# Altium PCB PCB2.PcbDoc (part 6 of 16)
Units mil, origin at the board's own origin, x right, y up, seen from the top; angles counter-clockwise.
Board outline 9200.79 x 4350.6 mil, 4 copper layers (Top Layer, Layer 1, Layer 2, Bottom Layer), stack 23.756 mil thick; 1249 components, 1355 nets, 4549 pads, 1316 vias.
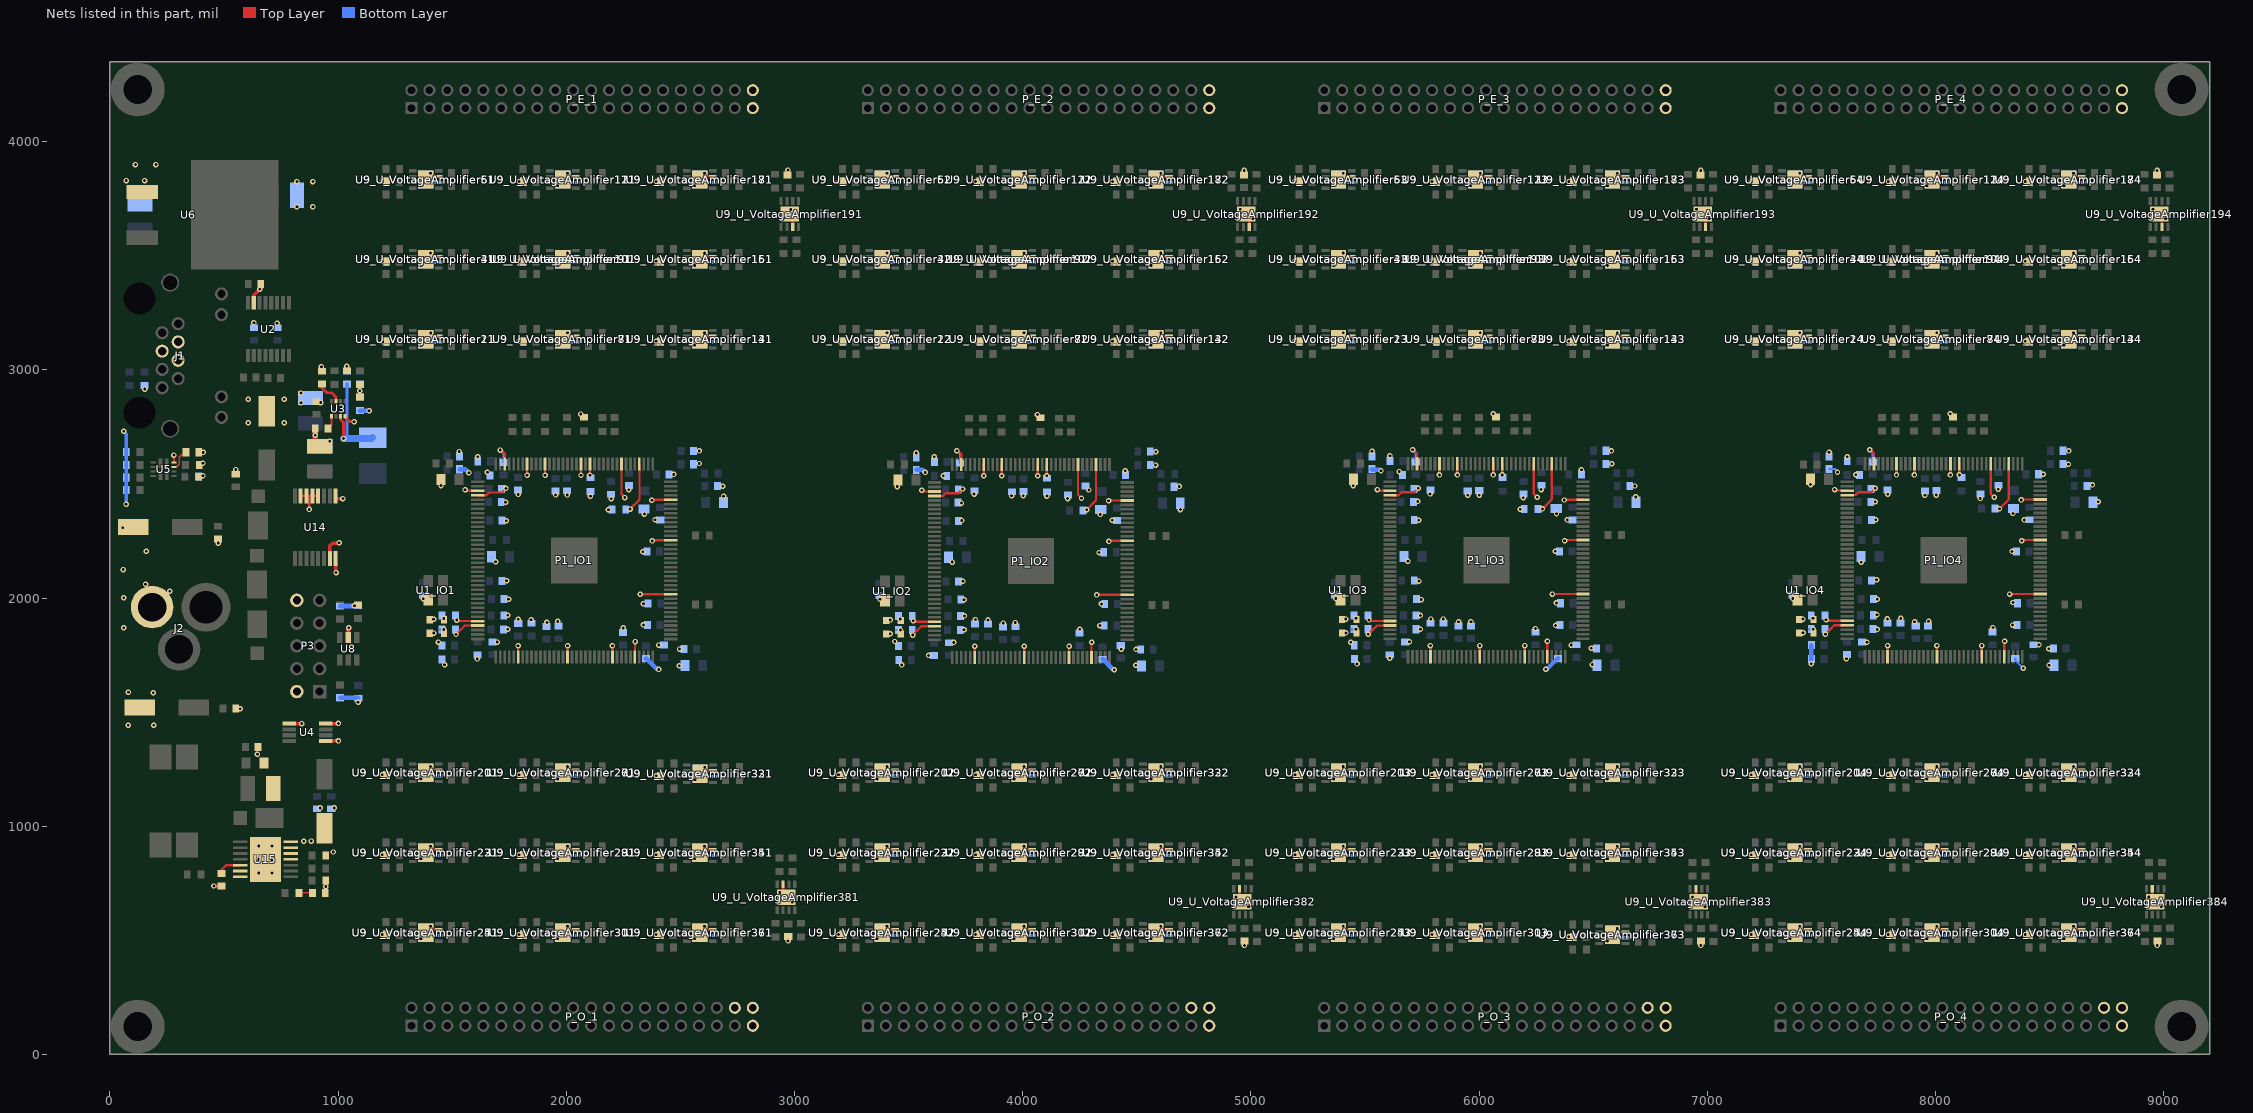
[diagram p8: the nets of this part, all layers, seen from the top]

## Via types
v1: diameter 24, hole 12, Top Layer to Bottom Layer, 1316 vias

## Nets (pads, with @x,y where several pads share a name; then routed paths per layer and width w, separated by ;. In a path a pad name is that pad's centre, name@x,y a point inside that pad or via, vN(x,y) a via of type N, cw(c..) or ccw(c..) an arc to the next point about the centre after c; other vN are vias at no path point) (continued)
GND: C1_IO1.1 C1_IO2.1 C1_IO3.1 C1_IO4.1 C2_POWER1.2 C2_POWER2.2 C2_POWER3.2 C2_POWER4.2 C3_POWER1.2 C3_POWER2.2 C3_POWER3.2 C3_POWER4.2 C4_POWER1.2 C4_POWER2.2 C4_POWER3.2 C4_POWER4.2 C5_POWER1.2 C5_POWER2.2 C5_POWER3.2 C5_POWER4.2 C6_POWER1.2 C6_POWER2.2 C6_POWER3.2 C6_POWER4.2 C7_POWER1.2 C7_POWER2.2 C7_POWER3.2 C7_POWER4.2 C8.1 C9_POWER1.2 C9_POWER2.2 C9_POWER3.2 C9_POWER4.2 C10_POWER1.1 C10_POWER2.1 C10_POWER3.1 C10_POWER4.1 C11_POWER1.1 C11_POWER2.1 C11_POWER3.1 C11_POWER4.1 C12_POWER1.2 C12_POWER2.2 C12_POWER3.2 C12_POWER4.2 C13_POWER1.2 C13_POWER2.2 C13_POWER3.2 C13_POWER4.2 C14.1 C15_POWER1.2 C15_POWER2.2 C15_POWER3.2 C15_POWER4.2 C16_POWER1.2 C16_POWER2.2 C16_POWER3.2 C16_POWER4.2 C17_POWER1.2 C17_POWER2.2 C17_POWER3.2 C17_POWER4.2 C19.1 C20.1 C21.1 C22.1 C23_POWER1.2 C23_POWER2.2 C23_POWER3.2 C23_POWER4.2 C24_POWER1.2 C24_POWER2.2 C24_POWER3.2 C24_POWER4.2 C26.1 C27.1 C28.1 C29.1 C30.1 C31.1 C32.1 C33.2 C34_U_VoltageAmplifier11.2 C34_U_VoltageAmplifier12.2 C34_U_VoltageAmplifier13.2 C34_U_VoltageAmplifier14.2 C34_U_VoltageAmplifier21.2 C34_U_VoltageAmplifier22.2 C34_U_VoltageAmplifier23.2 C34_U_VoltageAmplifier24.2 C34_U_VoltageAmplifier31.2 C34_U_VoltageAmplifier32.2 C34_U_VoltageAmplifier33.2 C34_U_VoltageAmplifier34.2 C34_U_VoltageAmplifier41.2 C34_U_VoltageAmplifier42.2 C34_U_VoltageAmplifier43.2 C34_U_VoltageAmplifier44.2 C34_U_VoltageAmplifier51.2 C34_U_VoltageAmplifier52.2 C34_U_VoltageAmplifier53.2 C34_U_VoltageAmplifier54.2 C34_U_VoltageAmplifier61.2 C34_U_VoltageAmplifier62.2 C34_U_VoltageAmplifier63.2 C34_U_VoltageAmplifier64.2 C34_U_VoltageAmplifier71.2 C34_U_VoltageAmplifier72.2 C34_U_VoltageAmplifier73.2 C34_U_VoltageAmplifier74.2 C34_U_VoltageAmplifier81.2 C34_U_VoltageAmplifier82.2 C34_U_VoltageAmplifier83.2 C34_U_VoltageAmplifier84.2 C34_U_VoltageAmplifier91.2 C34_U_VoltageAmplifier92.2 C34_U_VoltageAmplifier93.2 C34_U_VoltageAmplifier94.2 C34_U_VoltageAmplifier101.2 C34_U_VoltageAmplifier102.2 C34_U_VoltageAmplifier103.2 C34_U_VoltageAmplifier104.2 C34_U_VoltageAmplifier111.2 C34_U_VoltageAmplifier112.2 C34_U_VoltageAmplifier113.2 C34_U_VoltageAmplifier114.2 C34_U_VoltageAmplifier121.2 C34_U_VoltageAmplifier122.2 C34_U_VoltageAmplifier123.2 C34_U_VoltageAmplifier124.2 C34_U_VoltageAmplifier131.2 C34_U_VoltageAmplifier132.2 C34_U_VoltageAmplifier133.2 C34_U_VoltageAmplifier134.2 C34_U_VoltageAmplifier141.2 C34_U_VoltageAmplifier142.2 C34_U_VoltageAmplifier143.2 C34_U_VoltageAmplifier144.2 C34_U_VoltageAmplifier151.2 C34_U_VoltageAmplifier152.2 C34_U_VoltageAmplifier153.2 C34_U_VoltageAmplifier154.2 C34_U_VoltageAmplifier161.2 C34_U_VoltageAmplifier162.2 C34_U_VoltageAmplifier163.2 C34_U_VoltageAmplifier164.2 C34_U_VoltageAmplifier171.2 C34_U_VoltageAmplifier172.2 C34_U_VoltageAmplifier173.2 C34_U_VoltageAmplifier174.2 C34_U_VoltageAmplifier181.2 C34_U_VoltageAmplifier182.2 C34_U_VoltageAmplifier183.2 C34_U_VoltageAmplifier184.2 C34_U_VoltageAmplifier191.2 C34_U_VoltageAmplifier192.2 C34_U_VoltageAmplifier193.2 C34_U_VoltageAmplifier194.2 C34_U_VoltageAmplifier201.2 C34_U_VoltageAmplifier202.2 C34_U_VoltageAmplifier203.2 C34_U_VoltageAmplifier204.2 C34_U_VoltageAmplifier211.2 C34_U_VoltageAmplifier212.2 C34_U_VoltageAmplifier213.2 C34_U_VoltageAmplifier214.2 C34_U_VoltageAmplifier221.2 C34_U_VoltageAmplifier222.2 C34_U_VoltageAmplifier223.2 C34_U_VoltageAmplifier224.2 C34_U_VoltageAmplifier231.2 C34_U_VoltageAmplifier232.2 C34_U_VoltageAmplifier233.2 C34_U_VoltageAmplifier234.2 C34_U_VoltageAmplifier241.2 C34_U_VoltageAmplifier242.2 C34_U_VoltageAmplifier243.2 C34_U_VoltageAmplifier244.2 C34_U_VoltageAmplifier251.2 C34_U_VoltageAmplifier252.2 C34_U_VoltageAmplifier253.2 C34_U_VoltageAmplifier254.2 C34_U_VoltageAmplifier261.2 C34_U_VoltageAmplifier262.2 C34_U_VoltageAmplifier263.2 C34_U_VoltageAmplifier264.2 C34_U_VoltageAmplifier271.2 C34_U_VoltageAmplifier272.2 C34_U_VoltageAmplifier273.2 C34_U_VoltageAmplifier274.2 C34_U_VoltageAmplifier281.2 C34_U_VoltageAmplifier282.2 C34_U_VoltageAmplifier283.2 C34_U_VoltageAmplifier284.2 C34_U_VoltageAmplifier291.2 C34_U_VoltageAmplifier292.2 C34_U_VoltageAmplifier293.2 C34_U_VoltageAmplifier294.2 C34_U_VoltageAmplifier301.2 C34_U_VoltageAmplifier302.2 C34_U_VoltageAmplifier303.2 C34_U_VoltageAmplifier304.2 C34_U_VoltageAmplifier311.2 C34_U_VoltageAmplifier312.2 C34_U_VoltageAmplifier313.2 C34_U_VoltageAmplifier314.2 C34_U_VoltageAmplifier321.2 C34_U_VoltageAmplifier322.2 C34_U_VoltageAmplifier323.2 C34_U_VoltageAmplifier324.2 C34_U_VoltageAmplifier331.2 C34_U_VoltageAmplifier332.2 C34_U_VoltageAmplifier333.2 C34_U_VoltageAmplifier334.2 C34_U_VoltageAmplifier341.2 C34_U_VoltageAmplifier342.2 C34_U_VoltageAmplifier343.2 C34_U_VoltageAmplifier344.2 C34_U_VoltageAmplifier351.2 C34_U_VoltageAmplifier352.2 C34_U_VoltageAmplifier353.2 C34_U_VoltageAmplifier354.2 C34_U_VoltageAmplifier361.2 C34_U_VoltageAmplifier362.2 C34_U_VoltageAmplifier363.2 C34_U_VoltageAmplifier364.2 C34_U_VoltageAmplifier371.2 C34_U_VoltageAmplifier372.2 C34_U_VoltageAmplifier373.2 C34_U_VoltageAmplifier374.2 C34_U_VoltageAmplifier381.2 C34_U_VoltageAmplifier382.2 C34_U_VoltageAmplifier383.2 C34_U_VoltageAmplifier384.2 C35.1 C36.1 C37.1 C38.1 C39.1 C41.1 C42.1 C44.1 C45_POWER1.2 C45_POWER2.2 C45_POWER3.2 C45_POWER4.2 C46_POWER1.1 C46_POWER2.1 C46_POWER3.1 C46_POWER4.1 C47_POWER1.2 C47_POWER2.2 C47_POWER3.2 C47_POWER4.2 C48_POWER1.2 C48_POWER2.2 C48_POWER3.2 C48_POWER4.2 C49_POWER1.2 C49_POWER2.2 C49_POWER3.2 C49_POWER4.2 C51_POWER1.2 C51_POWER2.2 C51_POWER3.2 C51_POWER4.2 C52_POWER1.2 C52_POWER2.2 C52_POWER3.2 C52_POWER4.2 C53_POWER1.2 C53_POWER2.2 C53_POWER3.2 C53_POWER4.2 C54_POWER1.2 C54_POWER2.2 C54_POWER3.2 C54_POWER4.2 C55_POWER1.1 C55_POWER2.1 C55_POWER3.1 C55_POWER4.1 C56_POWER1.1 C56_POWER2.1 C56_POWER3.1 C56_POWER4.1 C57_POWER1.2 C57_POWER2.2 C57_POWER3.2 C57_POWER4.2 C58_POWER1.2 C58_POWER2.2 C58_POWER3.2 C58_POWER4.2 C59_POWER1.2 C59_POWER2.2 C59_POWER3.2 C59_POWER4.2 C60_POWER1.2 C60_POWER2.2 C60_POWER3.2 C60_POWER4.2 C61_POWER1.2 C61_POWER2.2 C61_POWER3.2 C61_POWER4.2 C62_POWER1.2 C62_POWER2.2 C62_POWER3.2 C62_POWER4.2 C63.1 C64_POWER1.2 C64_POWER2.2 C64_POWER3.2 C64_POWER4.2 C65_POWER1.2 C65_POWER2.2 C65_POWER3.2 C65_POWER4.2 C66_POWER1.2 C66_POWER2.2 C66_POWER3.2 C66_POWER4.2 C67_POWER1.2 C67_POWER2.2 C67_POWER3.2 C67_POWER4.2 C68_POWER1.2 C68_POWER2.2 C68_POWER3.2 C68_POWER4.2 C69_POWER1.1 C69_POWER2.1 C69_POWER3.1 C69_POWER4.1 C70_POWER1.1 C70_POWER2.1 C70_POWER3.1 C70_POWER4.1 C71_POWER1.1 C71_POWER2.1 C71_POWER3.1 C71_POWER4.1 C72_POWER1.1 C72_POWER2.1 C72_POWER3.1 C72_POWER4.1 C73.2 C74.1 C75.1 C76.2 C77.1 C78.1 C79.2 D1_IO1.2 D1_IO2.2 D1_IO3.2 D1_IO4.2 D2_IO1.2 D2_IO2.2 D2_IO3.2 D2_IO4.2 J1.4 J1.5 J1.6 J2.2 P1_IO1.3 P1_IO1.4 P1_IO1.42 P1_IO1.53 P1_IO1.63 P1_IO1.68 P1_IO1.83 P1_IO1.95 P1_IO1.104 P1_IO1.116 P1_IO1.125 P1_IO1.133 P1_IO1.137 P1_IO1.142 P1_IO2.3 P1_IO2.4 P1_IO2.42 P1_IO2.53 P1_IO2.63 P1_IO2.68 P1_IO2.83 P1_IO2.95 P1_IO2.104 P1_IO2.116 P1_IO2.125 P1_IO2.133 P1_IO2.137 P1_IO2.142 P1_IO3.3 P1_IO3.4 P1_IO3.42 P1_IO3.53 P1_IO3.63 P1_IO3.68 P1_IO3.83 P1_IO3.95 P1_IO3.104 P1_IO3.116 P1_IO3.125 P1_IO3.133 P1_IO3.137 P1_IO3.142 P1_IO4.3 P1_IO4.4 P1_IO4.42 P1_IO4.53 P1_IO4.63 P1_IO4.68 P1_IO4.83 P1_IO4.95 P1_IO4.104 P1_IO4.116 P1_IO4.125 P1_IO4.133 P1_IO4.137 P1_IO4.142 P3.2 P3.10 P_E_1.39 P_E_1.40 P_E_2.39 P_E_2.40 P_E_3.39 P_E_3.40 P_E_4.39 P_E_4.40 P_O_1.38 P_O_1.39 P_O_1.40 P_O_2.38 P_O_2.39 P_O_2.40 P_O_3.38 P_O_3.39 P_O_3.40 P_O_4.38 P_O_4.39 P_O_4.40 R9.2 R12.1 R13_IO1.1 R13_IO2.1 R13_IO3.1 R13_IO4.1 R19.2 R23.2 R24.2 R25.2 R32.2 R38.1 R39.2 R40.2 R43.1 R44.2 R48.1 R49.1 U1_IO1.2 U1_IO2.2 U1_IO3.2 U1_IO4.2 U2.15 U3.4 U4.1 U4.4 U4.5 U5.12 U6.1 U8.2 U9_U_VoltageAmplifier11.3 U9_U_VoltageAmplifier11.9 U9_U_VoltageAmplifier12.3 U9_U_VoltageAmplifier12.9 U9_U_VoltageAmplifier13.3 U9_U_VoltageAmplifier13.9 U9_U_VoltageAmplifier14.3 U9_U_VoltageAmplifier14.9 U9_U_VoltageAmplifier21.3 U9_U_VoltageAmplifier21.9 U9_U_VoltageAmplifier22.3 U9_U_VoltageAmplifier22.9 U9_U_VoltageAmplifier23.3 U9_U_VoltageAmplifier23.9 U9_U_VoltageAmplifier24.3 U9_U_VoltageAmplifier24.9 U9_U_VoltageAmplifier31.3 U9_U_VoltageAmplifier31.9 U9_U_VoltageAmplifier32.3 U9_U_VoltageAmplifier32.9 U9_U_VoltageAmplifier33.3 U9_U_VoltageAmplifier33.9 U9_U_VoltageAmplifier34.3 U9_U_VoltageAmplifier34.9 U9_U_VoltageAmplifier41.3 U9_U_VoltageAmplifier41.9 U9_U_VoltageAmplifier42.3 U9_U_VoltageAmplifier42.9 U9_U_VoltageAmplifier43.3 U9_U_VoltageAmplifier43.9 U9_U_VoltageAmplifier44.3 U9_U_VoltageAmplifier44.9 U9_U_VoltageAmplifier51.3 U9_U_VoltageAmplifier51.9 U9_U_VoltageAmplifier52.3 U9_U_VoltageAmplifier52.9 U9_U_VoltageAmplifier53.3 U9_U_VoltageAmplifier53.9 U9_U_VoltageAmplifier54.3 U9_U_VoltageAmplifier54.9 U9_U_VoltageAmplifier61.3 U9_U_VoltageAmplifier61.9 U9_U_VoltageAmplifier62.3 U9_U_VoltageAmplifier62.9 U9_U_VoltageAmplifier63.3 U9_U_VoltageAmplifier63.9 U9_U_VoltageAmplifier64.3 U9_U_VoltageAmplifier64.9 U9_U_VoltageAmplifier71.3 U9_U_VoltageAmplifier71.9 U9_U_VoltageAmplifier72.3 U9_U_VoltageAmplifier72.9 U9_U_VoltageAmplifier73.3 U9_U_VoltageAmplifier73.9 U9_U_VoltageAmplifier74.3 U9_U_VoltageAmplifier74.9 U9_U_VoltageAmplifier81.3 U9_U_VoltageAmplifier81.9 U9_U_VoltageAmplifier82.3 U9_U_VoltageAmplifier82.9 U9_U_VoltageAmplifier83.3 U9_U_VoltageAmplifier83.9 U9_U_VoltageAmplifier84.3 U9_U_VoltageAmplifier84.9 U9_U_VoltageAmplifier91.3 U9_U_VoltageAmplifier91.9 U9_U_VoltageAmplifier92.3 U9_U_VoltageAmplifier92.9 U9_U_VoltageAmplifier93.3 U9_U_VoltageAmplifier93.9 U9_U_VoltageAmplifier94.3 U9_U_VoltageAmplifier94.9 U9_U_VoltageAmplifier101.3 U9_U_VoltageAmplifier101.9 U9_U_VoltageAmplifier102.3 U9_U_VoltageAmplifier102.9 U9_U_VoltageAmplifier103.3 U9_U_VoltageAmplifier103.9 U9_U_VoltageAmplifier104.3 U9_U_VoltageAmplifier104.9 U9_U_VoltageAmplifier111.3 U9_U_VoltageAmplifier111.9 U9_U_VoltageAmplifier112.3 U9_U_VoltageAmplifier112.9 U9_U_VoltageAmplifier113.3 U9_U_VoltageAmplifier113.9 U9_U_VoltageAmplifier114.3 U9_U_VoltageAmplifier114.9 U9_U_VoltageAmplifier121.3 U9_U_VoltageAmplifier121.9 U9_U_VoltageAmplifier122.3 U9_U_VoltageAmplifier122.9 U9_U_VoltageAmplifier123.3 U9_U_VoltageAmplifier123.9 U9_U_VoltageAmplifier124.3 U9_U_VoltageAmplifier124.9 U9_U_VoltageAmplifier131.3 U9_U_VoltageAmplifier131.9 U9_U_VoltageAmplifier132.3 U9_U_VoltageAmplifier132.9 U9_U_VoltageAmplifier133.3 U9_U_VoltageAmplifier133.9 U9_U_VoltageAmplifier134.3 U9_U_VoltageAmplifier134.9 U9_U_VoltageAmplifier141.3 U9_U_VoltageAmplifier141.9 U9_U_VoltageAmplifier142.3 U9_U_VoltageAmplifier142.9 U9_U_VoltageAmplifier143.3 U9_U_VoltageAmplifier143.9 U9_U_VoltageAmplifier144.3 U9_U_VoltageAmplifier144.9 U9_U_VoltageAmplifier151.3 U9_U_VoltageAmplifier151.9 U9_U_VoltageAmplifier152.3 U9_U_VoltageAmplifier152.9 U9_U_VoltageAmplifier153.3 U9_U_VoltageAmplifier153.9 U9_U_VoltageAmplifier154.3 U9_U_VoltageAmplifier154.9 U9_U_VoltageAmplifier161.3 U9_U_VoltageAmplifier161.9 U9_U_VoltageAmplifier162.3 U9_U_VoltageAmplifier162.9 U9_U_VoltageAmplifier163.3 U9_U_VoltageAmplifier163.9 U9_U_VoltageAmplifier164.3 U9_U_VoltageAmplifier164.9 U9_U_VoltageAmplifier171.3 U9_U_VoltageAmplifier171.9 U9_U_VoltageAmplifier172.3 U9_U_VoltageAmplifier172.9 U9_U_VoltageAmplifier173.3 U9_U_VoltageAmplifier173.9 U9_U_VoltageAmplifier174.3 U9_U_VoltageAmplifier174.9 U9_U_VoltageAmplifier181.3 U9_U_VoltageAmplifier181.9 U9_U_VoltageAmplifier182.3 U9_U_VoltageAmplifier182.9 U9_U_VoltageAmplifier183.3 U9_U_VoltageAmplifier183.9 U9_U_VoltageAmplifier184.3 U9_U_VoltageAmplifier184.9 U9_U_VoltageAmplifier191.3 U9_U_VoltageAmplifier191.9 U9_U_VoltageAmplifier192.3 U9_U_VoltageAmplifier192.9 U9_U_VoltageAmplifier193.3 U9_U_VoltageAmplifier193.9 U9_U_VoltageAmplifier194.3 U9_U_VoltageAmplifier194.9 U9_U_VoltageAmplifier201.3 U9_U_VoltageAmplifier201.9 U9_U_VoltageAmplifier202.3 U9_U_VoltageAmplifier202.9 U9_U_VoltageAmplifier203.3 U9_U_VoltageAmplifier203.9 U9_U_VoltageAmplifier204.3 U9_U_VoltageAmplifier204.9 U9_U_VoltageAmplifier211.3 U9_U_VoltageAmplifier211.9 U9_U_VoltageAmplifier212.3 U9_U_VoltageAmplifier212.9 U9_U_VoltageAmplifier213.3 U9_U_VoltageAmplifier213.9 U9_U_VoltageAmplifier214.3 U9_U_VoltageAmplifier214.9 U9_U_VoltageAmplifier221.3 U9_U_VoltageAmplifier221.9 U9_U_VoltageAmplifier222.3 U9_U_VoltageAmplifier222.9 U9_U_VoltageAmplifier223.3 U9_U_VoltageAmplifier223.9 U9_U_VoltageAmplifier224.3 U9_U_VoltageAmplifier224.9 U9_U_VoltageAmplifier231.3 U9_U_VoltageAmplifier231.9 U9_U_VoltageAmplifier232.3 U9_U_VoltageAmplifier232.9 U9_U_VoltageAmplifier233.3 U9_U_VoltageAmplifier233.9 U9_U_VoltageAmplifier234.3 U9_U_VoltageAmplifier234.9 U9_U_VoltageAmplifier241.3 U9_U_VoltageAmplifier241.9 U9_U_VoltageAmplifier242.3 U9_U_VoltageAmplifier242.9 U9_U_VoltageAmplifier243.3 U9_U_VoltageAmplifier243.9 U9_U_VoltageAmplifier244.3 U9_U_VoltageAmplifier244.9 U9_U_VoltageAmplifier251.3 U9_U_VoltageAmplifier251.9 U9_U_VoltageAmplifier252.3 U9_U_VoltageAmplifier252.9 U9_U_VoltageAmplifier253.3 U9_U_VoltageAmplifier253.9 U9_U_VoltageAmplifier254.3 U9_U_VoltageAmplifier254.9 U9_U_VoltageAmplifier261.3 U9_U_VoltageAmplifier261.9 U9_U_VoltageAmplifier262.3 U9_U_VoltageAmplifier262.9 U9_U_VoltageAmplifier263.3 U9_U_VoltageAmplifier263.9 U9_U_VoltageAmplifier264.3 U9_U_VoltageAmplifier264.9 U9_U_VoltageAmplifier271.3 U9_U_VoltageAmplifier271.9 U9_U_VoltageAmplifier272.3 U9_U_VoltageAmplifier272.9 U9_U_VoltageAmplifier273.3 U9_U_VoltageAmplifier273.9 U9_U_VoltageAmplifier274.3 U9_U_VoltageAmplifier274.9 U9_U_VoltageAmplifier281.3 U9_U_VoltageAmplifier281.9 U9_U_VoltageAmplifier282.3 U9_U_VoltageAmplifier282.9 U9_U_VoltageAmplifier283.3 U9_U_VoltageAmplifier283.9 U9_U_VoltageAmplifier284.3 U9_U_VoltageAmplifier284.9 U9_U_VoltageAmplifier291.3 U9_U_VoltageAmplifier291.9 U9_U_VoltageAmplifier292.3 U9_U_VoltageAmplifier292.9 U9_U_VoltageAmplifier293.3 U9_U_VoltageAmplifier293.9 U9_U_VoltageAmplifier294.3 U9_U_VoltageAmplifier294.9 U9_U_VoltageAmplifier301.3 U9_U_VoltageAmplifier301.9 U9_U_VoltageAmplifier302.3 U9_U_VoltageAmplifier302.9 U9_U_VoltageAmplifier303.3 U9_U_VoltageAmplifier303.9 U9_U_VoltageAmplifier304.3 U9_U_VoltageAmplifier304.9 U9_U_VoltageAmplifier311.3 U9_U_VoltageAmplifier311.9 U9_U_VoltageAmplifier312.3 U9_U_VoltageAmplifier312.9 U9_U_VoltageAmplifier313.3 U9_U_VoltageAmplifier313.9 U9_U_VoltageAmplifier314.3 U9_U_VoltageAmplifier314.9 U9_U_VoltageAmplifier321.3 U9_U_VoltageAmplifier321.9 U9_U_VoltageAmplifier322.3 U9_U_VoltageAmplifier322.9 U9_U_VoltageAmplifier323.3 U9_U_VoltageAmplifier323.9 U9_U_VoltageAmplifier324.3 U9_U_VoltageAmplifier324.9 U9_U_VoltageAmplifier331.3 U9_U_VoltageAmplifier331.9 U9_U_VoltageAmplifier332.3 U9_U_VoltageAmplifier332.9 U9_U_VoltageAmplifier333.3 U9_U_VoltageAmplifier333.9 U9_U_VoltageAmplifier334.3 U9_U_VoltageAmplifier334.9 U9_U_VoltageAmplifier341.3 U9_U_VoltageAmplifier341.9 U9_U_VoltageAmplifier342.3 U9_U_VoltageAmplifier342.9 U9_U_VoltageAmplifier343.3 U9_U_VoltageAmplifier343.9 U9_U_VoltageAmplifier344.3 U9_U_VoltageAmplifier344.9 U9_U_VoltageAmplifier351.3 U9_U_VoltageAmplifier351.9 U9_U_VoltageAmplifier352.3 U9_U_VoltageAmplifier352.9 U9_U_VoltageAmplifier353.3 U9_U_VoltageAmplifier353.9 U9_U_VoltageAmplifier354.3 U9_U_VoltageAmplifier354.9 U9_U_VoltageAmplifier361.3 U9_U_VoltageAmplifier361.9 U9_U_VoltageAmplifier362.3 U9_U_VoltageAmplifier362.9 U9_U_VoltageAmplifier363.3 U9_U_VoltageAmplifier363.9 U9_U_VoltageAmplifier364.3 U9_U_VoltageAmplifier364.9 U9_U_VoltageAmplifier371.3 U9_U_VoltageAmplifier371.9 U9_U_VoltageAmplifier372.3 U9_U_VoltageAmplifier372.9 U9_U_VoltageAmplifier373.3 U9_U_VoltageAmplifier373.9 U9_U_VoltageAmplifier374.3 U9_U_VoltageAmplifier374.9 U9_U_VoltageAmplifier381.3 U9_U_VoltageAmplifier381.9 U9_U_VoltageAmplifier382.3 U9_U_VoltageAmplifier382.9 U9_U_VoltageAmplifier383.3 U9_U_VoltageAmplifier383.9 U9_U_VoltageAmplifier384.3 U9_U_VoltageAmplifier384.9 U14.7 U14.8 U14.9 U14.12 U14.13 U14.14 U14.15 U15.6 U15.7 U15.11 U15.12 U15.13 U15.14 U15.15 U15.16 U15.17 U15.18 U15.19 U15.20 U15.21 | length 16048
  Top Layer w10: U5.12@280.66,2594.32 v1(280.66,2626.52) ; U14.15@835.88,2447.61 U14.14@861.47,2447.61 874.27,2447.61 ; v1@874.02,2381.89 874.02,2447.36 874.27,2447.61 ; U14.12@912.66,2447.61 U14.13@887.06,2447.61 874.27,2447.61 ; C35.1@943.32,706.99 945.76,709.43 R9.2@945.76,761.32 ; U9_U_VoltageAmplifier241.9@1384.17,533.98 1396.97,546.77 U9_U_VoltageAmplifier241.3@1441.26,546.77 ; U9_U_VoltageAmplifier221.9@1384.17,883.98 1396.97,896.77 U9_U_VoltageAmplifier221.3@1441.26,896.77 ; U9_U_VoltageAmplifier201.9@1384.17,1233.98 1396.97,1246.77 U9_U_VoltageAmplifier201.3@1441.26,1246.77 ; U9_U_VoltageAmplifier11.9@1384.17,3133.98 1396.97,3146.77 U9_U_VoltageAmplifier11.3@1441.26,3146.77 ; U9_U_VoltageAmplifier31.9@1384.17,3483.98 1396.97,3496.77 U9_U_VoltageAmplifier31.3@1441.26,3496.77 ; U9_U_VoltageAmplifier51.9@1384.17,3833.98 1396.97,3846.77 U9_U_VoltageAmplifier51.3@1441.26,3846.77 ; v1(1556.46,2474.29) 1561.1,2469.65 P1_IO1.3@1611.97,2469.65 ; P1_IO1.4@1611.97,2449.97 1649.83,2449.97 1661.99,2462.13 1717.3,2462.13 v1(1735.46,2480.29) ; v1(1710.46,2648.29) 1714.46,2648.29 1729.61,2633.14 P1_IO1.142@1729.61,2587.29 P1_IO1.142@1728.7,2586.39 ; P1_IO1.42@1788.66,1741.78 v1(1788.66,1790.73) ; v1(1828.03,2538.34) P1_IO1.137@1828.03,2587.29 ; v1(1906.77,2538.34) P1_IO1.133@1906.77,2587.29 ; U9_U_VoltageAmplifier301.9@1984.17,533.98 1996.97,546.77 U9_U_VoltageAmplifier301.3@2041.26,546.77 ; U9_U_VoltageAmplifier281.9@1984.17,883.98 1996.97,896.77 U9_U_VoltageAmplifier281.3@2041.26,896.77 ; U9_U_VoltageAmplifier261.9@1984.17,1233.98 1996.97,1246.77 U9_U_VoltageAmplifier261.3@2041.26,1246.77 ; U9_U_VoltageAmplifier71.9@1984.17,3133.98 1996.97,3146.77 U9_U_VoltageAmplifier71.3@2041.26,3146.77 ; U9_U_VoltageAmplifier91.9@1984.17,3483.98 1996.97,3496.77 U9_U_VoltageAmplifier91.3@2041.26,3496.77 ; U9_U_VoltageAmplifier111.9@1984.17,3833.98 1996.97,3846.77 U9_U_VoltageAmplifier111.3@2041.26,3846.77 ; P1_IO1.53@2005.2,1741.78 v1(2005.2,1790.73) ; v1(2064.26,2538.34) P1_IO1.125@2064.26,2587.29 ; P1_IO1.63@2202.05,1741.78 v1(2202.05,1790.73) ; P1_IO1.116@2241.42,2587.29 2241.42,2455.33 v1(2256.46,2440.29) ; P1_IO1.68@2300.48,1741.78 2300.48,1808.31 v1(2301.46,1809.29) ; v1(2323.46,2016.29) 2320.18,2016.29 2320.48,2016.59 2457.18,2016.59 P1_IO1.83@2457.48,2016.9 ; v1(2374.92,2428.67) 2376.53,2430.28 P1_IO1.104@2457.48,2430.28 ; v1(2376.46,2250.29) 2380.25,2250.29 2383.07,2253.12 P1_IO1.95@2457.48,2253.12 ; U9_U_VoltageAmplifier361.9@2584.17,533.98 2596.97,546.77 U9_U_VoltageAmplifier361.3@2641.26,546.77 ; U9_U_VoltageAmplifier341.9@2584.17,883.98 2596.97,896.77 U9_U_VoltageAmplifier341.3@2641.26,896.77 ; U9_U_VoltageAmplifier131.9@2584.17,3133.98 2596.97,3146.77 U9_U_VoltageAmplifier131.3@2641.26,3146.77 ; U9_U_VoltageAmplifier151.9@2584.17,3483.98 2596.97,3496.77 U9_U_VoltageAmplifier151.3@2641.26,3496.77 ; U9_U_VoltageAmplifier171.9@2584.17,3833.98 2596.97,3846.77 U9_U_VoltageAmplifier171.3@2641.26,3846.77 ; U9_U_VoltageAmplifier321.9@2585.35,1230.39 2598.14,1243.18 U9_U_VoltageAmplifier321.3@2642.43,1243.18 ; U9_U_VoltageAmplifier381.3@2950.08,745.59 2950.08,701.3 U9_U_VoltageAmplifier381.9@2962.87,688.5 ; U9_U_VoltageAmplifier191.9@2979.65,3682.68 2992.44,3669.88 U9_U_VoltageAmplifier191.3@2992.44,3625.59 ; U9_U_VoltageAmplifier242.9@3384.17,533.98 3396.97,546.77 U9_U_VoltageAmplifier242.3@3441.26,546.77 ; U9_U_VoltageAmplifier222.9@3384.17,883.98 3396.97,896.77 U9_U_VoltageAmplifier222.3@3441.26,896.77 ; U9_U_VoltageAmplifier202.9@3384.17,1233.98 3396.97,1246.77 U9_U_VoltageAmplifier202.3@3441.26,1246.77 ; U9_U_VoltageAmplifier12.9@3384.17,3133.98 3396.97,3146.77 U9_U_VoltageAmplifier12.3@3441.26,3146.77 ; U9_U_VoltageAmplifier32.9@3384.17,3483.98 3396.97,3496.77 U9_U_VoltageAmplifier32.3@3441.26,3496.77 ; U9_U_VoltageAmplifier52.9@3384.17,3833.98 3396.97,3846.77 U9_U_VoltageAmplifier52.3@3441.26,3846.77 ; v1(3557.56,2471.69) 3562.2,2467.05 P1_IO2.3@3613.07,2467.05 ; P1_IO2.4@3613.07,2447.37 3650.93,2447.37 3663.09,2459.53 3718.4,2459.53 v1(3736.56,2477.69) ; v1(3711.56,2645.69) 3715.56,2645.69 3730.71,2630.54 P1_IO2.142@3730.71,2584.69 P1_IO2.142@3729.8,2583.79 ; P1_IO2.42@3789.76,1739.18 v1(3789.76,1788.13) ; v1(3829.13,2535.74) P1_IO2.137@3829.13,2584.69 ; v1(3907.87,2535.74) P1_IO2.133@3907.87,2584.69 ; U9_U_VoltageAmplifier302.9@3984.17,533.98 3996.97,546.77 U9_U_VoltageAmplifier302.3@4041.26,546.77 ; U9_U_VoltageAmplifier282.9@3984.17,883.98 3996.97,896.77 U9_U_VoltageAmplifier282.3@4041.26,896.77 ; U9_U_VoltageAmplifier262.9@3984.17,1233.98 3996.97,1246.77 U9_U_VoltageAmplifier262.3@4041.26,1246.77 ; U9_U_VoltageAmplifier72.9@3984.17,3133.98 3996.97,3146.77 U9_U_VoltageAmplifier72.3@4041.26,3146.77 ; U9_U_VoltageAmplifier92.9@3984.17,3483.98 3996.97,3496.77 U9_U_VoltageAmplifier92.3@4041.26,3496.77 ; U9_U_VoltageAmplifier112.9@3984.17,3833.98 3996.97,3846.77 U9_U_VoltageAmplifier112.3@4041.26,3846.77 ; P1_IO2.53@4006.3,1739.18 v1(4006.3,1788.13) ; v1(4065.36,2535.74) P1_IO2.125@4065.36,2584.69 ; P1_IO2.63@4203.15,1739.18 v1(4203.15,1788.13) ; P1_IO2.116@4242.52,2584.69 4242.52,2452.73 v1(4257.56,2437.69) ; P1_IO2.68@4301.58,1739.18 4301.58,1805.71 v1(4302.56,1806.69) ; v1(4324.56,2013.69) 4321.28,2013.69 4321.58,2013.99 4458.28,2013.99 P1_IO2.83@4458.58,2014.3 ; v1(4376.02,2426.07) 4377.63,2427.68 P1_IO2.104@4458.58,2427.68 ; v1(4377.56,2247.69) 4381.35,2247.69 4384.17,2250.52 P1_IO2.95@4458.58,2250.52 ; U9_U_VoltageAmplifier362.9@4584.17,533.98 4596.97,546.77 U9_U_VoltageAmplifier362.3@4641.26,546.77 ; U9_U_VoltageAmplifier342.9@4584.17,883.98 4596.97,896.77 U9_U_VoltageAmplifier342.3@4641.26,896.77 ; U9_U_VoltageAmplifier322.9@4584.17,1233.98 4596.97,1246.77 U9_U_VoltageAmplifier322.3@4641.26,1246.77 ; U9_U_VoltageAmplifier132.9@4584.17,3133.98 4596.97,3146.77 U9_U_VoltageAmplifier132.3@4641.26,3146.77 ; U9_U_VoltageAmplifier152.9@4584.17,3483.98 4596.97,3496.77 U9_U_VoltageAmplifier152.3@4641.26,3496.77 ; U9_U_VoltageAmplifier172.9@4584.17,3833.98 4596.97,3846.77 U9_U_VoltageAmplifier172.3@4641.26,3846.77 ; U9_U_VoltageAmplifier382.3@4950.08,725.59 4950.08,681.3 U9_U_VoltageAmplifier382.9@4962.87,668.5 ; U9_U_VoltageAmplifier192.9@4979.65,3682.68 4992.44,3669.88 U9_U_VoltageAmplifier192.3@4992.44,3625.59 ; U9_U_VoltageAmplifier243.9@5384.17,533.98 5396.97,546.77 U9_U_VoltageAmplifier243.3@5441.26,546.77 ; U9_U_VoltageAmplifier223.9@5384.17,883.98 5396.97,896.77 U9_U_VoltageAmplifier223.3@5441.26,896.77 ; U9_U_VoltageAmplifier203.9@5384.17,1233.98 5396.97,1246.77 U9_U_VoltageAmplifier203.3@5441.26,1246.77 ; U9_U_VoltageAmplifier13.9@5384.17,3133.98 5396.97,3146.77 U9_U_VoltageAmplifier13.3@5441.26,3146.77 ; U9_U_VoltageAmplifier33.9@5384.17,3483.98 5396.97,3496.77 U9_U_VoltageAmplifier33.3@5441.26,3496.77 ; U9_U_VoltageAmplifier53.9@5384.17,3833.98 5396.97,3846.77 U9_U_VoltageAmplifier53.3@5441.26,3846.77 ; v1(5554.46,2475.14) 5559.1,2470.5 P1_IO3.3@5609.97,2470.5 ; P1_IO3.4@5609.97,2450.82 5647.83,2450.82 5659.99,2462.98 5715.3,2462.98 v1(5733.46,2481.14) ; v1(5708.46,2649.14) 5712.46,2649.14 5727.61,2633.99 P1_IO3.142@5727.61,2588.14 P1_IO3.142@5726.7,2587.23 ; P1_IO3.42@5786.66,1742.63 v1(5786.66,1791.58) ; v1(5826.03,2539.19) P1_IO3.137@5826.03,2588.14 ; v1(5904.77,2539.19) P1_IO3.133@5904.77,2588.14 ; U9_U_VoltageAmplifier303.9@5984.17,533.98 5996.97,546.77 U9_U_VoltageAmplifier303.3@6041.26,546.77 ; U9_U_VoltageAmplifier283.9@5984.17,883.98 5996.97,896.77 U9_U_VoltageAmplifier283.3@6041.26,896.77 ; U9_U_VoltageAmplifier263.9@5984.17,1233.98 5996.97,1246.77 U9_U_VoltageAmplifier263.3@6041.26,1246.77 ; U9_U_VoltageAmplifier73.9@5984.17,3133.98 5996.97,3146.77 U9_U_VoltageAmplifier73.3@6041.26,3146.77 ; U9_U_VoltageAmplifier93.9@5984.17,3483.98 5996.97,3496.77 U9_U_VoltageAmplifier93.3@6041.26,3496.77 ; U9_U_VoltageAmplifier113.9@5984.17,3833.98 5996.97,3846.77 U9_U_VoltageAmplifier113.3@6041.26,3846.77 ; P1_IO3.53@6003.2,1742.63 v1(6003.2,1791.58) ; v1(6062.26,2539.19) P1_IO3.125@6062.26,2588.14 ; P1_IO3.63@6200.05,1742.63 v1(6200.05,1791.58) ; P1_IO3.116@6239.42,2588.14 6239.42,2456.18 v1(6254.46,2441.14) ; P1_IO3.68@6298.48,1742.63 6298.48,1809.16 v1(6299.46,1810.14) ; v1(6321.46,2017.14) 6318.18,2017.14 6318.48,2017.44 6455.18,2017.44 P1_IO3.83@6455.48,2017.75 ; v1(6372.92,2429.52) 6374.53,2431.13 P1_IO3.104@6455.48,2431.13 ; v1(6374.46,2251.14) 6378.25,2251.14 6381.07,2253.97 P1_IO3.95@6455.48,2253.97 ; U9_U_VoltageAmplifier363.9@6584.17,523.98 6596.97,536.77 U9_U_VoltageAmplifier363.3@6641.26,536.77 ; U9_U_VoltageAmplifier343.9@6584.17,883.98 6596.97,896.77 U9_U_VoltageAmplifier343.3@6641.26,896.77 ; U9_U_VoltageAmplifier323.9@6584.17,1233.98 6596.97,1246.77 U9_U_VoltageAmplifier323.3@6641.26,1246.77 ; U9_U_VoltageAmplifier133.9@6584.17,3133.98 6596.97,3146.77 U9_U_VoltageAmplifier133.3@6641.26,3146.77 ; U9_U_VoltageAmplifier153.9@6584.17,3483.98 6596.97,3496.77 U9_U_VoltageAmplifier153.3@6641.26,3496.77 ; U9_U_VoltageAmplifier173.9@6584.17,3833.98 6596.97,3846.77 U9_U_VoltageAmplifier173.3@6641.26,3846.77 ; U9_U_VoltageAmplifier383.3@6950.08,725.59 6950.08,681.3 U9_U_VoltageAmplifier383.9@6962.87,668.5 ; U9_U_VoltageAmplifier193.9@6979.65,3682.68 6992.44,3669.88 U9_U_VoltageAmplifier193.3@6992.44,3625.59 ; U9_U_VoltageAmplifier244.9@7384.17,533.98 7396.97,546.77 U9_U_VoltageAmplifier244.3@7441.26,546.77 ; U9_U_VoltageAmplifier224.9@7384.17,883.98 7396.97,896.77 U9_U_VoltageAmplifier224.3@7441.26,896.77 ; U9_U_VoltageAmplifier204.9@7384.17,1233.98 7396.97,1246.77 U9_U_VoltageAmplifier204.3@7441.26,1246.77 ; U9_U_VoltageAmplifier14.9@7384.17,3133.98 7396.97,3146.77 U9_U_VoltageAmplifier14.3@7441.26,3146.77 ; U9_U_VoltageAmplifier34.9@7384.17,3483.98 7396.97,3496.77 U9_U_VoltageAmplifier34.3@7441.26,3496.77 ; U9_U_VoltageAmplifier54.9@7384.17,3833.98 7396.97,3846.77 U9_U_VoltageAmplifier54.3@7441.26,3846.77 ; v1(7557.46,2475.29) 7562.1,2470.65 P1_IO4.3@7612.97,2470.65 ; P1_IO4.4@7612.97,2450.97 7650.83,2450.97 7662.99,2463.13 7718.3,2463.13 v1(7736.46,2481.29) ; v1(7711.46,2649.29) 7715.46,2649.29 7730.61,2634.14 P1_IO4.142@7730.61,2588.29 P1_IO4.142@7729.7,2587.39 ; P1_IO4.42@7789.66,1742.78 v1(7789.66,1791.73) ; v1(7829.03,2539.34) P1_IO4.137@7829.03,2588.29 ; v1(7907.77,2539.34) P1_IO4.133@7907.77,2588.29 ; U9_U_VoltageAmplifier304.9@7984.17,533.98 7996.97,546.77 U9_U_VoltageAmplifier304.3@8041.26,546.77 ; U9_U_VoltageAmplifier284.9@7984.17,883.98 7996.97,896.77 U9_U_VoltageAmplifier284.3@8041.26,896.77 ; U9_U_VoltageAmplifier264.9@7984.17,1233.98 7996.97,1246.77 U9_U_VoltageAmplifier264.3@8041.26,1246.77 ; U9_U_VoltageAmplifier74.9@7984.17,3133.98 7996.97,3146.77 U9_U_VoltageAmplifier74.3@8041.26,3146.77 ; U9_U_VoltageAmplifier94.9@7984.17,3483.98 7996.97,3496.77 U9_U_VoltageAmplifier94.3@8041.26,3496.77 ; U9_U_VoltageAmplifier114.9@7984.17,3833.98 7996.97,3846.77 U9_U_VoltageAmplifier114.3@8041.26,3846.77 ; P1_IO4.53@8006.2,1742.78 v1(8006.2,1791.73) ; v1(8065.26,2539.34) P1_IO4.125@8065.26,2588.29 ; P1_IO4.63@8203.05,1742.78 v1(8203.05,1791.73) ; P1_IO4.116@8242.42,2588.29 8242.42,2456.33 v1(8257.46,2441.29) ; P1_IO4.68@8301.48,1742.78 8301.48,1809.31 v1(8302.46,1810.29) ; v1(8324.46,2017.29) 8321.18,2017.29 8321.48,2017.59 8458.18,2017.59 P1_IO4.83@8458.48,2017.9 ; v1(8375.92,2429.67) 8377.53,2431.28 P1_IO4.104@8458.48,2431.28 ; v1(8377.46,2251.29) 8381.25,2251.29 8384.07,2254.12 P1_IO4.95@8458.48,2254.12 ; U9_U_VoltageAmplifier364.9@8584.17,533.98 8596.97,546.77 U9_U_VoltageAmplifier364.3@8641.26,546.77 ; U9_U_VoltageAmplifier344.9@8584.17,883.98 8596.97,896.77 U9_U_VoltageAmplifier344.3@8641.26,896.77 ; U9_U_VoltageAmplifier324.9@8584.17,1233.98 8596.97,1246.77 U9_U_VoltageAmplifier324.3@8641.26,1246.77 ; U9_U_VoltageAmplifier134.9@8584.17,3133.98 8596.97,3146.77 U9_U_VoltageAmplifier134.3@8641.26,3146.77 ; U9_U_VoltageAmplifier154.9@8584.17,3483.98 8596.97,3496.77 U9_U_VoltageAmplifier154.3@8641.26,3496.77 ; U9_U_VoltageAmplifier174.9@8584.17,3833.98 8596.97,3846.77 U9_U_VoltageAmplifier174.3@8641.26,3846.77 ; U9_U_VoltageAmplifier384.3@8950.08,725.59 8950.08,681.3 U9_U_VoltageAmplifier384.9@8962.87,668.5 ; U9_U_VoltageAmplifier194.9@8979.65,3682.68 8992.44,3669.88 U9_U_VoltageAmplifier194.3@8992.44,3625.59